# Altium PCB RGV_Control_1V21_unpoly.PcbDoc (part 3 of 5) (continued)
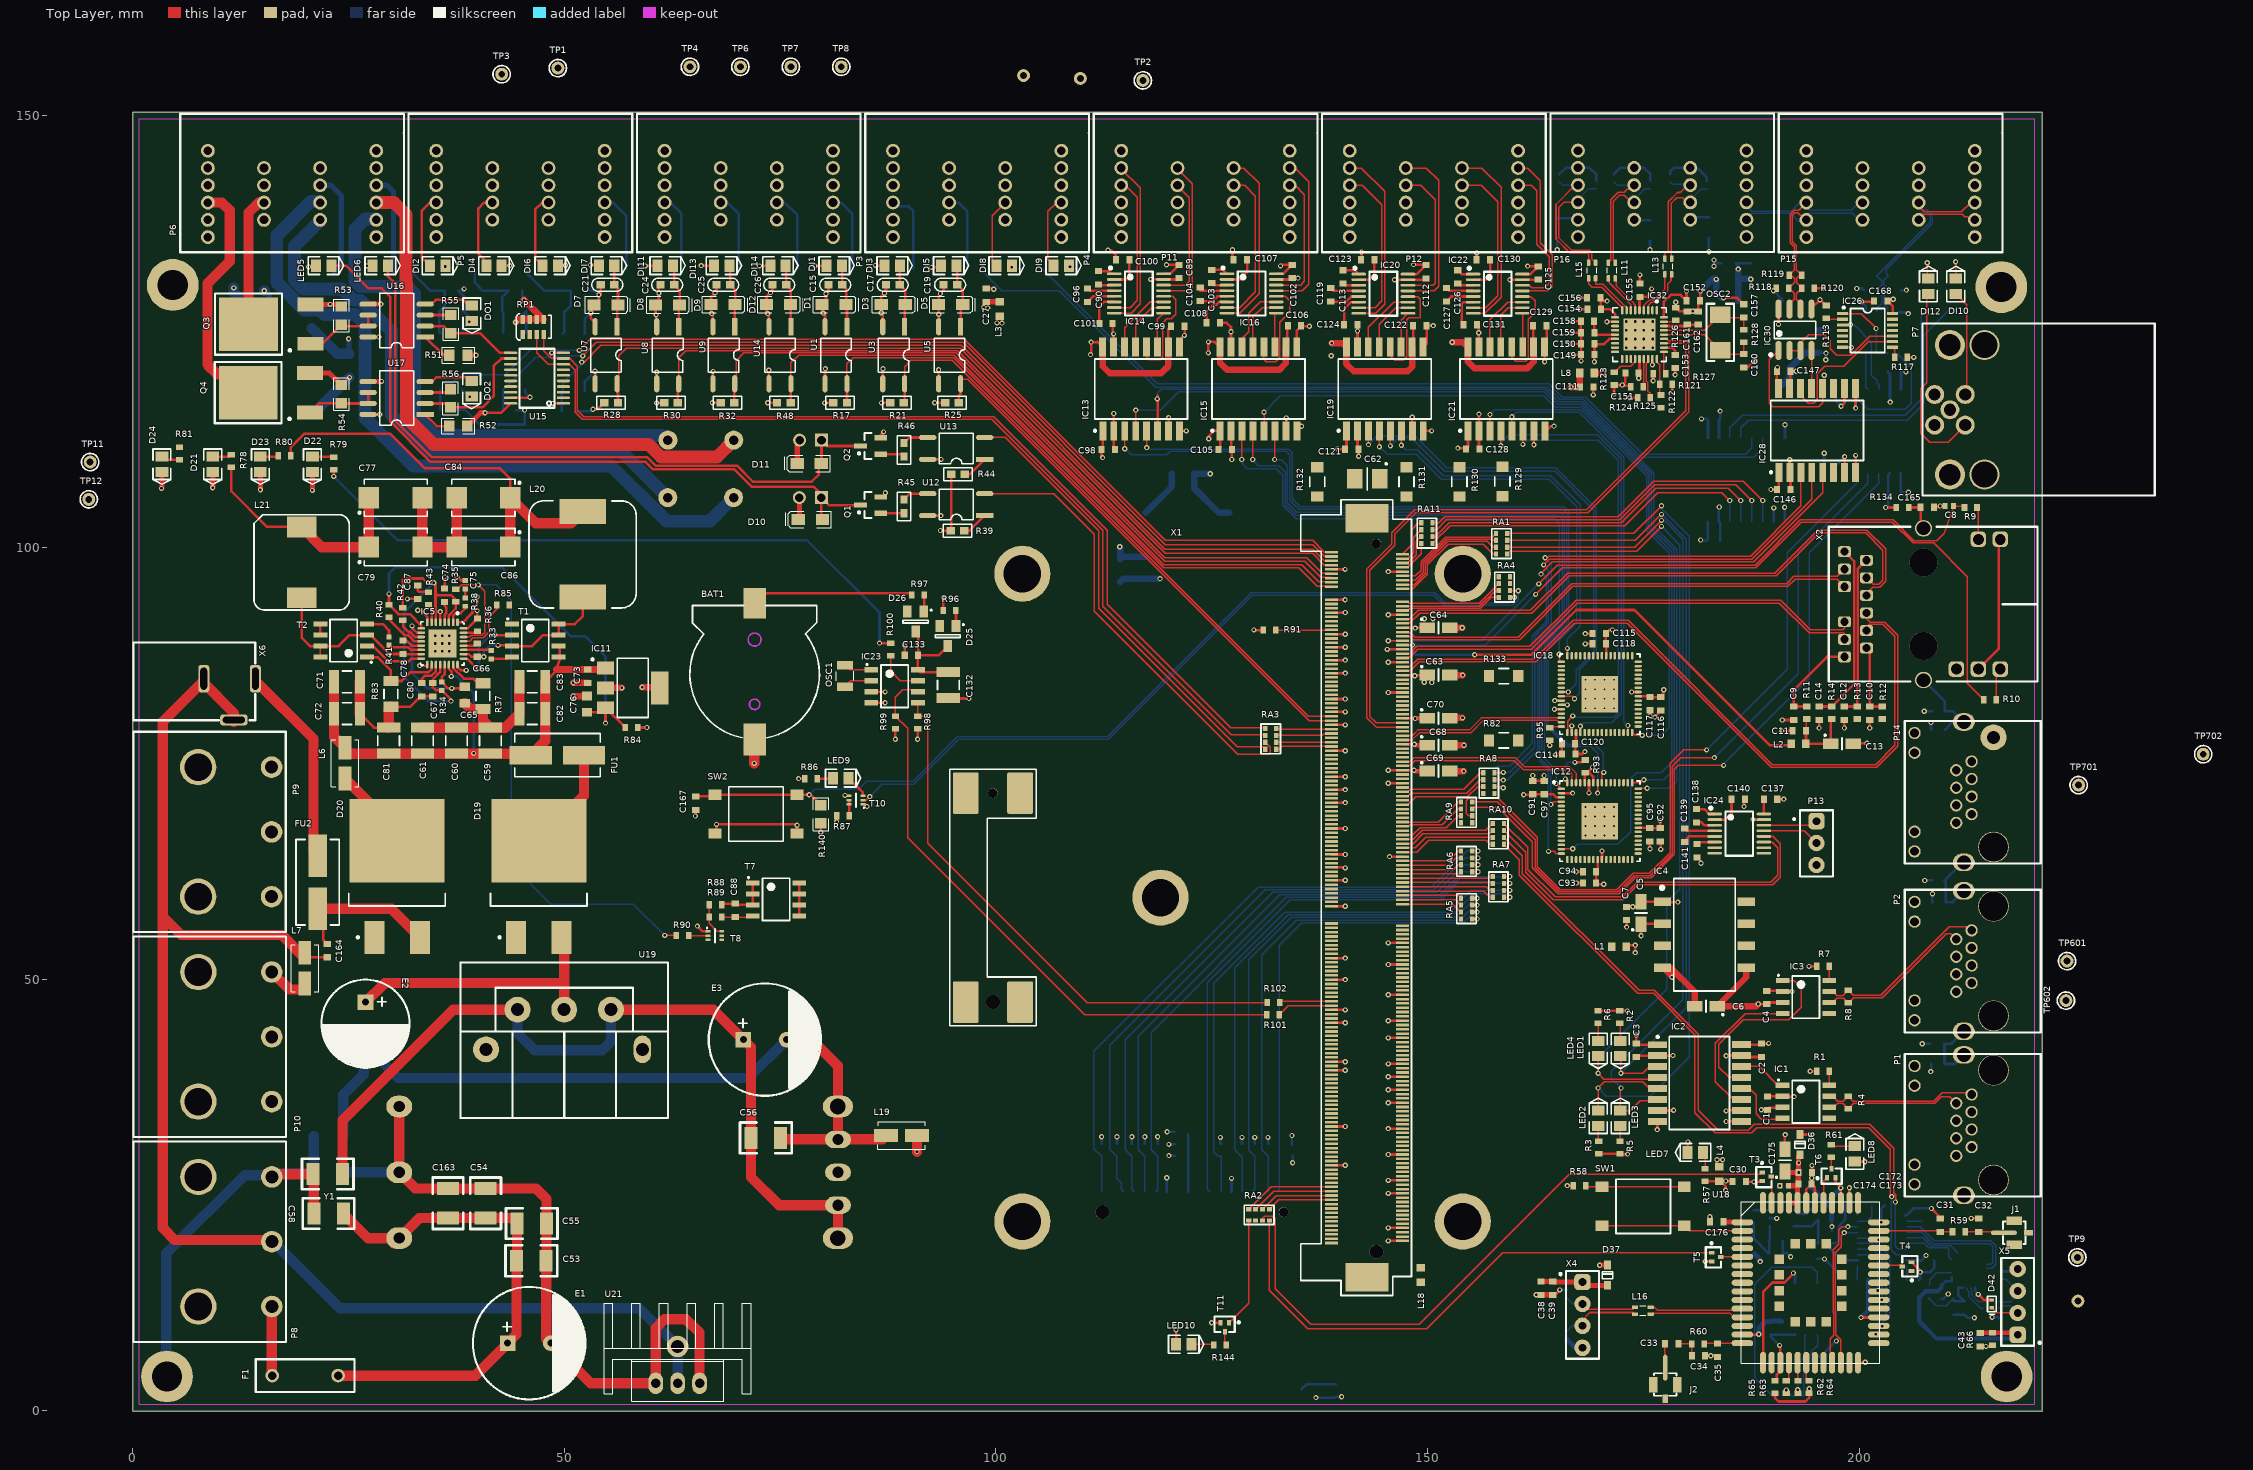
[diagram p0: Top Layer view]
## Nets (pads, with @x,y where several pads share a name; then routed paths per layer and width w, separated by ;. In a path a pad name is that pad's centre, name@x,y a point inside that pad or via, vN(x,y) a via of type N, cw(c..) or ccw(c..) an arc to the next point about the centre after c; other vN are vias at no path point) (continued)
  Top Layer w0.6: v1(3.375,106.825) 3.429,106.879 D24.K@3.429,108.737 ; v1(9.3,106.9) 9.322,106.922 D21.K@9.322,108.737 ; v1(14.832,106.675) D23.K@14.832,108.737 ; v1(20.856,106.6) D22.K@20.856,108.737 ; v1(162.55,13.449) C38.2@163.122,13.449 C39.2@164.465,13.449 ; v1(169.9,16.875) 169.928,16.903 D37.2@170.815,16.903 ; v1(182.675,22.5) 182.689,22.486 C176.2@182.689,21.895
  Top Layer w0.75: v1(44.4,126.075) 44.715,126.39 RP1.1@45.225,126.39 RP1.2@46.025,126.39 RP1.3@46.825,126.39 RP1.4@47.625,126.39 45.365,128.65 v1(45.35,128.65) ; v1(51.065,82.789) C76.1@52.654,82.789 ; v1(51.077,84.315) C73.1@52.756,84.315 ; IC11.2@54.787,83.729 v1(56.686,83.729) ; v1(59.03,83.795) 61.021,83.795 IC11.4@61.087,83.729 ; C69.2@152.557,74.092 v1(154.153,74.092) ; C68.2@152.557,77.089 v1(154.203,77.089) ; C70.2@152.557,80.213 152.601,80.257 v1(154.026,80.257) ; C63.2@152.557,85.217 v1(154.041,85.217) ; C64.2@152.557,90.703 v1(154,90.703)
  Top Layer w1.2: P10.1@16.145,50.826 18.165,48.807 L7.2@20.015,48.807 ; C72.1@26.356,80.747 C71.1@26.356,84.43 ; C81.1@29.682,79.122 29.682,81.279 R83.2@29.936,81.533 ; C77.2@33.593,105.742 C79.2@33.593,100.025 C86.2@37.553,100.025 C84.2@37.553,105.742 ; C61.1@33.607,79.122 C60.1@37.531,79.122 C59.1@41.456,79.122 ; C65.1@38.506,81.956 39.183,81.279 R37.2@40.604,81.279 40.604,79.973 C59.1@41.456,79.122 ; C83.1@44.819,84.43 C82.1@44.819,80.747 43.195,79.122 C59.1@41.456,79.122 ; v1(72.009,74.981) 72.009,77.698 BAT1.2@72.06,77.749 ; v1(90.868,30.035) L19.2@90.868,31.902
  Bottom Layer w0.3: U2.3@38.202,118.225 39.002,117.425 v1(39.075,117.425) ; U2.2@38.202,124.825 38.202,125.325 v1(39.002,126.125) 39.002,126.719 D2.1@38.355,127.367 38.355,129.119 C16.2@37.77,129.704 38.204,129.704 v1(38.425,129.925) ; v1(44.4,126.075) 44.4,126.147 D4.1@45.62,127.367 45.62,124.977 U4.2@45.493,124.85 ; C18.2@45.162,129.704 45.162,128.838 v1(45.35,128.65) ; U4.3@45.493,118.25 45.493,117.932 v1(46.05,117.375) ; C20.2@52.362,129.704 53.571,129.704 v1(54.025,129.25) ; U6.3@52.387,118.15 52.387,118.712 52.4,118.725 52.4,119.221 v1(53.575,120.396) ; U6.2@52.387,124.75 52.387,126.462 v1(53.075,127.15) ; v1(119.775,27) 119.777,26.998 X7.10@119.777,25.4 ; v1(120.025,29.575) 120.037,29.563 C135.1@120.683,29.563 ; v1(120.025,30.875) C134.1@120.675,30.875 ; v1(127.275,26.925) 127.277,26.923 X7.6@127.277,25.4 ; v1(134.35,28.75) 134.379,28.779 C136.1@134.379,29.563 ; v1(137.05,1.55) 137.064,1.536 C166.1@137.795,1.536 139.258,1.536 R135.1@139.37,1.648 140.023,1.648 v1(140.025,1.65) ; v1(164.998,134.477) D33.2@164.998,135.751 ; D31.1@165.252,143.216 165.985,143.948 P16.16@167.407,143.948 168.727,143.948 169.52,143.155 D32.1@169.52,142.45 ; v1(165.3,14.025) 165.311,14.014 D38.1@166.091,14.014 ; D27.1@171.552,143.216 172.284,143.948 P16.12@173.907,143.948 175.052,143.948 175.775,143.225 D28.1@175.775,142.45 ; v1(175.743,134.482) D34.2@175.743,135.497 ; D29.1@178.075,143.216 178.075,143.523 178.5,143.948 P16.8@180.407,143.948 181.227,143.948 182.3,142.875 D30.1@182.3,142.4 ; D35.2@182.525,135.87 182.525,134.275 v1(182.575,134.225) ; C144.2@183.358,131.089 v1(183.413,131.034) ; v1(183.75,104.675) 183.708,104.633 IC6.15@183.708,102.973 183.858,102.823 C22.1@183.858,100.787 ; IC10.2@189.592,22.352 189.644,22.3 v1(190.425,22.3) ; C49.1@191.1,19.675 191.1,18.294 C50.1@191.094,18.288 191.587,18.288 v1(192.025,17.85) ; v1(191.325,104.65) 191.328,104.647 IC6.9@191.328,102.973 ; C40.1@195.1,17.625 195.925,17.625 v1(195.95,17.6) 197.637,15.913 C44.2@197.942,15.913 ; C41.1@195.237,6.274 195.466,6.274 C42.1@196.711,7.518 197.292,8.1 v1(197.325,8.1) ; IC25.8@195.89,108.588 195.89,110.865 v1(195.925,110.9) ; C52.1@196.775,22.15 196.775,21.375 v1(196.8,21.35) C51.1@196.8,20.85 ; v1(202.525,21.85) 202.525,23.432 R69.1@202.884,23.79 ; v1(203.022,104.623) 203.314,104.914 C142.1@203.314,106.375 203.314,108.392 IC25.2@203.51,108.588 ; IC9.11@205.272,22.643 IC9.11@205.466,22.643 206.306,23.483 R70.2@207.264,23.483 208.292,23.483 v1(208.325,23.45) ; R68.2@206.875,15.15 207.05,15.325 v1(207.05,16.075) 208.197,16.075 208.649,16.526 C45.1@208.649,17.374 ; v1(207.275,42.525) 207.284,42.534 R142.1@208.165,42.534 ; v1(207.5,81.025) R141.1@208.437,81.025 ; v1(207.55,61.425) 207.567,61.442 R143.1@208.393,61.442 ; v1(208.25,39.3) 208.292,39.342 C170.1@208.292,40.183 ; v1(208.275,79.725) 208.275,78.925 C169.1@208.325,78.875 ; C171.1@208.419,58.928 208.419,59.869 v1(208.45,59.9) ; C46.2@209.499,13.017 209.742,13.017 v1(210.275,13.55) ; C48.2@210.922,11.138 C47.2@212.166,11.138 ; C47.2@212.325,11 212.525,10.8 v1(213.3,10.8) ; IC8.2@213.424,14.256 213.424,13.908 213.76,13.571 v1(213.76,13.501) ; v1(215.35,10.85) 216.034,10.85 D40.2@216.129,10.756 ; D41.1@216.383,16.147 218.026,16.147 X5.4@218.313,16.434
  Bottom Layer w0.5: v1(200.175,10.825) 201.025,11.675 R67.1@201.025,15.15
  Bottom Layer w0.6: D39.1@166.091,8.313 167.088,7.315 X4.4@167.919,7.315 ; v1(188.325,8.875) 188.35,8.9 188.35,9.612 189.114,10.376 C36.1@189.75,10.376 189.799,10.425 190.95,10.425 190.95,10.4 C37.2@190.975,10.375 ; v1(194.462,26.975) 194.462,25.844 R77.1@196.634,23.673 ; C52.1@196.775,22.15 196.775,23.531 R77.1@196.634,23.673 ; v1(197.835,25.825) 196.634,24.624 R77.1@196.634,23.673
  Bottom Layer w0.75: C109.2@114.383,96.021 114.752,96.39 IC17.1@117.325,96.39 v1(119,96.39) ; v1(181.575,129.675) 182.989,131.089 C144.2@183.358,131.089 ; v1(183.413,131.034) 183.413,129.5 184.008,128.905 v1(184.25,128.905)
  Bottom Layer w1.2: v1(11.75,130.05) 11.75,129.525 C28.2@13.25,128.025 13.169,127.944 IC7.1@13.169,125.382
  other v1: 145.427,25.196 190.772,26.086 145.427,26.696 140.444,28.446 145.428,29.696 145.428,32.696 145.428,35.696 145.428,37.196 145.428,38.696 140.444,39.446 145.428,40.196 140.444,40.446 145.428,43.196 140.444,44.946 145.428,45.196 140.444,46.446 145.428,48.196 140.444,49.946 145.428,51.696 140.444,52.446 145.428,54.196 140.444,58.446 140.444,61.446 140.444,62.89 140.444,64.44 175.743,65.1 140.444,67.446 76.975,67.825 162.154,73.584 201.193,79.082 140.444,85.446 140.444,86.946 140.444,88.446 168.25,88.827 168.25,90.021 140.444,92.456 37.592,96.582 127.318,110.175
  other v2: 168.276,66.651 169.376,66.651 170.476,66.651 171.576,66.651 168.276,67.751 169.376,67.751 170.476,67.751 171.576,67.751 168.276,68.851 169.376,68.851 170.476,68.851 171.576,68.851 168.276,69.951 169.376,69.951 170.476,69.951 171.576,69.951 168.276,81.357 169.376,81.357 170.476,81.357 171.576,81.357 168.276,82.457 169.376,82.457 170.476,82.457 171.576,82.457 168.276,83.557 169.376,83.557 170.476,83.557 171.576,83.557 168.276,84.657 169.376,84.657 170.476,84.657 171.576,84.657
  other v3: 35.058,87.957 35.887,87.957 36.716,87.957 35.058,88.875 35.887,88.871 36.716,88.875 35.058,89.785 35.887,89.785 36.716,89.785 173.005,123.116 174.018,123.116 175.031,123.116 176.045,123.116 173.005,124.13 174.018,124.13 175.031,124.13 176.045,124.13 173.005,125.143 174.018,125.143 175.031,125.143 176.045,125.143 173.005,126.156 174.018,126.156 175.031,126.156 176.045,126.156
GND_IN: C164.1 L7.1 P8.2 U21.2 U21.4 X6.2 X6.3 | length 162.3
  Top Layer w0.3: L7.1@20.015,52.387 20.168,52.54 C164.1@22.555,52.54
  Top Layer w1.2: X6.3@11.751,79.807 11.751,80.824 8.271,84.304 8.271,84.582 3.505,79.816 3.505,57.252 ; P8.2@16.145,19.794 4.909,19.794 3.505,21.198 3.505,57.252 ; L7.1@20.015,52.387 17.284,55.118 5.639,55.118 3.505,57.252
  Bottom Layer w1.2: P8.2@16.145,19.794 24.026,11.913 58.702,11.913 U21.4@63.144,7.47 U21.2@63.144,3.2
GPS_ANT: C35.2 R60.2 U18.15 | length 4.4
  Top Layer w0.162: R60.2@182.044,7.756 182.108,7.82 C35.2@183.566,7.82 183.595,7.85 U18.15@186.435,7.85
I2C1_SCL: IC23.6 R99.1 R101.2 | length 70.2
  Top Layer w0.15: IC23.6@91.187,83.287 IC23.6@90.965,83.287 90.888,83.287 90.659,83.515 89.23,83.515 88.367,82.652 R99.1@88.367,80.456 89.764,79.059 89.764,66.386 110.275,45.875 110.892,45.875 110.894,45.872 R101.2@131.355,45.872
I2C1_SDA: IC23.5 R98.1 R102.2 | length 64.1
  Top Layer w0.15: IC23.5@90.965,82.017 90.965,80.489 R98.1@90.932,80.456 91.604,80.456 92.125,79.935 92.125,65.723 110.553,47.295 R102.2@131.406,47.295
MXM3_12_M: RA1.1 X1.12 | length 13.4
  Top Layer w0.15: X1.12@147.062,96.696 148.546,96.696 149.225,97.375 149.225,98.311 152.114,101.2 157.475,101.2 RA1.1@157.9,101.625
MXM3_14_M: RA1.2 X1.14 | length 13.5
  Top Layer w0.15: X1.14@147.062,96.196 148.567,96.196 149.475,97.104 149.475,98.207 152.218,100.95 157.45,100.95 157.575,100.825 RA1.2@157.9,100.825
MXM3_16_M: RA1.3 X1.16 | length 13.8
  Top Layer w0.15: X1.16@147.062,95.696 148.421,95.696 149.725,97 149.725,98.104 152.321,100.7 156.9,100.7 157.575,100.025 RA1.3@157.9,100.025
MXM3_18_M: RA1.4 X1.18 | length 14.1
  Top Layer w0.15: X1.18@147.062,95.196 148.296,95.196 149.975,96.875 149.975,98 152.35,100.375 156.425,100.375 157.575,99.225 RA1.4@157.9,99.225
MXM3_24: R85.1 RA4.6
MXM3_24_M: RA4.2 X1.24 | length 12.2
  Top Layer w0.15: X1.24@147.062,93.696 147.7,93.696 147.875,93.521 155.96,93.521 RA4.2@158.239,95.8
MXM3_26: IC32.26 RA4.7 T10.2 | length 89.2
  Top Layer w0.15: T10.2@84.585,70.737 84.991,70.737 v1(85.4,71.145) ; RA4.7@159.539,95 160.45,95 v1(160.475,94.975) ; v1(176.025,121.15) IC32.26@176.025,121.811
  Bottom Layer w0.15: v1(85.4,71.145) 86.83,72.575 90.477,72.575 95.7,77.798 112.998,77.798 129.675,94.475 150.721,94.475 151.925,93.271 159.871,93.271 160.51,93.91 160.51,94.94 v1(160.475,94.975)
MXM3_26_M: RA4.3 X1.26 | length 11.9
  Top Layer w0.15: X1.26@147.062,93.196 155.989,93.196 157.793,95 RA4.3@158.239,95
MXM3_28: C167.2 R140.1 RA4.8 SW2.3 SW2.4 | length 109.2
  Top Layer w0.15: RA4.8@159.539,94.2 160.01,94.2 v1(160.035,94.225)
  Top Layer w0.3: C167.2@65.236,71.162 67.265,71.162 SW2.3@67.471,71.369 67.59,71.25 67.69,71.35 SW2.4@76.952,71.35 ; v1(78.375,71.35) SW2.4@76.952,71.35 ; R140.1@79.725,70.15 78.506,71.369 SW2.4@76.971,71.369 SW2.4@76.952,71.35
  Bottom Layer w0.15: v1(78.375,71.35) 79,71.975 84.107,71.975 85.032,72.9 90.4,72.9 95.548,78.048 112.895,78.048 129.571,94.725 150.825,94.725 152.029,93.521 159.331,93.521 v1(160.035,94.225)
MXM3_28_M: RA4.4 X1.28 | length 12
  Top Layer w0.15: X1.28@147.062,92.696 147.746,92.696 147.996,92.946 156.092,92.946 157.346,94.2 RA4.4@158.239,94.2 RA4.4@158.414,94.375
MXM3_37: R91.2 X1.37 | length 6.4
  Top Layer w0.15: R91.2@132.425,90.425 138.841,90.425 X1.37@138.862,90.446
MXM3_144: R109.1 RA6.5 X7.15 | length 71.4
  Top Layer w0.15: RA6.5@155.148,64.846 v1(155.825,64.846)
  Bottom Layer w0.15: X7.15@112.277,25.4 112.243,25.434 R109.1@112.243,29.476 111.35,30.368 111.35,41.644 130.377,60.671 150.396,60.671 154.571,64.846 v1(155.825,64.846)
MXM3_144_M: RA6.1 X1.144 | length 7.4
  Top Layer w0.15: X1.144@147.062,63.696 152.39,63.696 153.694,65 RA6.1@153.848,64.846
MXM3_146: R108.1 RA6.6 X7.14 | length 69.9
  Top Layer w0.15: RA6.6@155.148,64.046 v1(155.825,64.046)
  Bottom Layer w0.15: X7.14@114.777,25.4 114.521,25.656 114.521,26.454 114.021,26.954 R108.1@114.021,29.476 113.175,30.321 113.175,42.338 131.212,60.375 150.7,60.375 154.371,64.046 v1(155.825,64.046)
MXM3_146_M: RA6.2 X1.146 | length 7.1
  Top Layer w0.15: X1.146@147.062,63.196 152.446,63.196 153.296,64.046 RA6.2@153.848,64.046
MXM3_148: R107.1 RA6.7 X7.13 | length 68
  Top Layer w0.15: RA6.7@155.148,63.246 v1(155.825,63.246)
  Bottom Layer w0.15: X7.13@116.027,25.4 115.748,25.679 R107.1@115.748,29.476 114.95,30.273 114.95,42.981 132.044,60.075 151.075,60.075 154.246,63.246 v1(155.825,63.246)
MXM3_148_M: RA6.3 X1.148 | length 7
  Top Layer w0.15: X1.148@147.062,62.696 152.973,62.696 153.523,63.246 RA6.3@153.848,63.246
MXM3_150: R103.1 RA6.8 X7.12 | length 66.2
  Top Layer w0.15: RA6.8@155.148,62.446 v1(155.825,62.446)
  Bottom Layer w0.15: X7.12@117.277,25.4 117.221,25.456 R103.1@117.221,29.476 116.475,30.222 116.475,43.375 132.875,59.775 151.4,59.775 154.071,62.446 v1(155.825,62.446)
MXM3_150_M: RA6.4 X1.150 | length 6.9
  Top Layer w0.15: X1.150@147.062,62.196 153.598,62.196 RA6.4@153.848,62.446
MXM3_152: R106.1 RA7.5 X7.11 | length 68.5
  Top Layer w0.15: RA7.5@158.831,61.887 v1(159.5,61.887)
  Bottom Layer w0.15: X7.11@118.527,25.4 118.72,25.592 R106.1@118.72,29.476 117.975,30.22 117.975,43.825 133.637,59.487 151.466,59.487 153.866,61.887 v1(159.5,61.887)
MXM3_152_M: RA7.1 X1.152 | length 10.5
  Top Layer w0.15: X1.152@147.062,61.696 157.015,61.696 157.206,61.887 RA7.1@157.531,61.887
MXM3_154: RA7.6 X7.8 | length 64.7
  Top Layer w0.15: RA7.6@158.831,61.087 v1(159.5,61.087)
  Bottom Layer w0.15: X7.8@124.777,25.4 124.5,25.677 124.5,49.6 134.071,59.171 151.503,59.171 153.419,61.087 v1(159.5,61.087)
MXM3_154_M: RA7.2 X1.154 | length 10.5
  Top Layer w0.15: X1.154@147.062,61.196 157.422,61.196 RA7.2@157.531,61.087
MXM3_156: R105.1 RA7.7 X7.7 | length 64.2
  Top Layer w0.15: RA7.7@158.831,60.287 v1(159.5,60.287)
  Bottom Layer w0.15: X7.7@126.027,25.4 126.086,25.458 R105.1@126.086,29.476 125.724,29.476 125.2,30 125.2,49.556 133.419,57.775 152.55,57.775 155.062,60.287 v1(159.5,60.287)
MXM3_156_M: RA7.3 X1.156 | length 10.6
  Top Layer w0.15: X1.156@147.062,60.696 156.797,60.696 157.206,60.287 RA7.3@157.531,60.287
MXM3_158: R104.1 RA7.8 X7.5 | length 62.5
  Top Layer w0.15: RA7.8@158.831,59.487 v1(159.5,59.487)
  Bottom Layer w0.15: X7.5@128.527,25.4 128.527,29.373 127.675,30.225 127.675,51.318 133.832,57.475 152.9,57.475 155.346,59.921 159.066,59.921 v1(159.5,59.487)
MXM3_158_M: RA7.4 X1.158 | length 10.8
  Top Layer w0.15: X1.158@147.062,60.196 156.497,60.196 157.206,59.487 RA7.4@157.531,59.487
MXM3_160: R111.1 RA5.5 X7.4 | length 57.2
  Top Layer w0.15: RA5.5@155.148,59.372 v1(155.725,59.372)
  Bottom Layer w0.15: X7.4@129.707,25.4 129.972,25.664 R111.1@129.972,29.476 129.25,30.197 129.25,52.225 134.175,57.15 153.262,57.15 155.484,59.372 v1(155.725,59.372)
MXM3_160_M: RA5.1 X1.160 | length 6.9
  Top Layer w0.15: X1.160@147.062,59.696 153.524,59.696 RA5.1@153.848,59.372
MXM3_162: R110.1 RA5.6 X7.3 | length 55.7
  Top Layer w0.15: RA5.6@155.148,58.572 v1(155.725,58.572)
  Bottom Layer w0.15: X7.3@131.407,25.4 131.521,25.513 R110.1@131.521,29.476 130.775,30.222 130.775,52.825 134.775,56.825 153.7,56.825 155.447,58.572 v1(155.725,58.572)
MXM3_162_M: RA5.2 X1.162 | length 7
  Top Layer w0.15: X1.162@147.062,59.196 153.224,59.196 RA5.2@153.848,58.572
MXM3_164: C136.2 R112.1 RA5.7 X7.2 | length 53.7
  Top Layer w0.15: RA5.7@155.148,57.772 v1(155.725,57.772)
  Bottom Layer w0.15: X7.2@132.707,25.4 132.829,25.521 C136.2@132.829,29.563 132.825,29.567 R112.1@132.825,30.85 132.825,53.95 135.4,56.525 154.125,56.525 155.372,57.772 v1(155.725,57.772)
MXM3_164_M: RA5.3 X1.164 | length 7.2
  Top Layer w0.15: X1.164@147.062,58.696 152.924,58.696 RA5.3@153.848,57.772
MXM3_209_M: R102.1 X1.209 | length 6.1
  Top Layer w0.15: R102.1@132.856,47.295 133.007,47.446 X1.209@138.862,47.446
MXM3_211_M: R101.1 X1.211 | length 6.5
  Top Layer w0.15: R101.1@132.805,45.872 133.879,46.946 X1.211@138.862,46.946
NetC15_1: C15.1 D1.2 DI1.K U1.1 | length 7.3
  Top Layer w0.3: DI1.K@82.176,132.625 82.194,132.606 C15.1@82.194,130.404 82.652,129.946 D1.2@82.652,128.118 82.753,128.016 U1.1@82.753,125.55
NetC16_1: C16.1 D2.2 R16.2 U2.1 | length 10.2
  Bottom Layer w0.3: R16.2@32.625,132.3 32.625,131.625 34.546,129.704 C16.1@36.196,129.704 36.196,128.002 D2.2@35.561,127.367 35.561,124.926 U2.1@35.662,124.825
NetC17_1: C17.1 D3.2 DI3.K U3.1 | length 7.4
  Top Layer w0.3: DI3.K@88.901,132.625 88.849,132.573 C17.1@88.849,130.404 89.51,129.743 D3.2@89.51,128.118 89.433,128.041 U3.1@89.433,125.55
NetC18_1: C18.1 D4.2 R20.2 U4.1 | length 11.3
  Bottom Layer w0.3: R20.2@39.475,132.3 39.675,132.1 39.675,130.65 40.621,129.704 C18.1@43.588,129.704 42.826,128.942 D4.2@42.826,127.367 42.953,127.24 U4.1@42.953,124.85
NetC19_1: C19.1 D5.2 DI5.K U5.1 | length 7.5
  Top Layer w0.3: DI5.K@95.42,132.625 95.504,132.541 C19.1@95.504,130.404 96.164,129.743 D5.2@96.164,128.118 95.91,127.864 U5.1@95.91,125.55
NetC20_1: C20.1 D6.2 R24.2 U6.1 | length 11.8
  Bottom Layer w0.3: R24.2@45.7,132.3 45.7,131.725 47.721,129.704 C20.1@50.788,129.704 50.788,128.03 D6.2@50.025,127.267 50.025,124.928 U6.1@49.847,124.75
NetC21_1: C21.1 D7.2 DI7.K U7.1 | length 7.3
  Top Layer w0.3: DI7.K@55.805,132.625 55.804,132.624 C21.1@55.804,130.404 56.236,129.972 D7.2@56.236,128.092 56.134,127.991 U7.1@56.134,125.55
NetC24_1: C24.1 D8.2 DI11.K U8.1 | length 7.4
  Top Layer w0.3: DI11.K@62.612,132.625 62.738,132.499 C24.1@62.738,130.404 63.373,129.769 D8.2@63.373,128.092 63.271,127.991 U8.1@63.271,125.55
NetC25_1: C25.1 D9.2 DI13.K U9.1 | length 7.4
  Top Layer w0.3: DI13.K@69.133,132.625 69.223,132.535 C25.1@69.223,130.404 69.799,129.828 D9.2@69.799,128.118 69.765,128.084 U9.1@69.765,125.55
NetC26_1: C26.1 D12.2 DI14.K U14.1 | length 7.3
  Top Layer w0.3: DI14.K@75.655,132.625 75.709,132.571 C26.1@75.709,130.404 76.225,129.887 D12.2@76.225,128.118 76.259,128.084 U14.1@76.259,125.55
NetC32_1: C32.1 J1.1 R59.2 | length 4.5
  Top Layer w0.162: R59.2@212.225,20.75 C32.1@213.825,20.75 216.604,20.75 J1.1@216.72,20.634
NetC33_1: C33.1 J2.1 | length 2.8
  Top Layer w0.15: C33.1@177.471,7.782 177.471,5.044 J2.1@177.5,5.015
NetC33_2: C33.2 C34.2 R60.1 | length 3
  Top Layer w0.15: C33.2@179.021,7.782 179.046,7.756 R60.1@180.581,7.756 ; C34.2@180.581,6.385 R60.1@180.581,7.756 ; R60.1@180.594,7.756 R60.1@180.581,7.756
NetC36_2: C36.2 C37.1 R65.1 U18.18 X3.8 | length 8.8
  Top Layer w0.3: R65.1@190.221,3.494 190.425,3.698 190.425,4.225 190.835,4.635 U18.18@190.835,5.6 190.835,7.506 v1(190.75,7.591)
  Bottom Layer w0.3: v1(190.75,7.591) 189.75,8.591 C36.2@189.75,8.826 190.974,8.826 C37.1@190.975,8.825 192.523,8.825 X3.8@192.532,8.834 X3.8@192.514,8.852
NetC40_2: C40.2 R64.1 R65.2 X3.3 | length 35.1
  Top Layer w0.15: R64.1@194.158,2.044 194.158,2.558 v1(194.175,2.575)
  Top Layer w0.3: R65.2@190.221,2.044 190.221,1.516 190.637,1.1 193.725,1.1 194.158,1.533 R64.1@194.158,2.044
  Bottom Layer w0.15: v1(194.175,2.575) 194.175,1.475 193.875,1.175 190.475,1.175 187.85,3.8 187.85,14.675 189.825,16.65 194.525,16.65 C40.2@195.1,16.075 195.1,14.862 X3.3@195.072,14.834 X3.3@195.072,14.973
NetC41_2: C41.2 R62.1 X3.7 | length 7.2
  Top Layer w0.15: v1(192.85,2.475) 192.85,2.073 R62.1@192.879,2.044
  Bottom Layer w0.15: v1(192.85,2.475) 192.85,5.436 C41.2@193.687,6.274 193.687,8.719 X3.7@193.802,8.834
NetC42_2: C42.2 R63.1 X3.6 | length 10.4
  Top Layer w0.15: R63.1@191.524,2.044 v1@191.524,2.424
  Bottom Layer w0.15: v1(191.525,2.425) 192.175,1.775 193.375,1.775 193.525,1.925 193.525,4.725 194.425,5.625 194.425,6.9 195.043,7.518 C42.2@195.161,7.518 195.161,8.745 X3.6@195.072,8.834